# Altium PCB ToucanEyePCB.PcbDoc (part 5 of 5)
Units mil, origin at the board's own origin, x right, y up, seen from the top; angles counter-clockwise.
Board outline 2559.06 x 1181.1 mil, 6 copper layers (L1_Top Layer, L2_GND, L3_Signa1, L4_PWR/Signal2, L5_GND, L6_Bottom Layer), stack 35.685 mil thick; 187 components, 181 nets, 773 pads, 479 vias.
Unrouted connection lines stored in the file: 150.
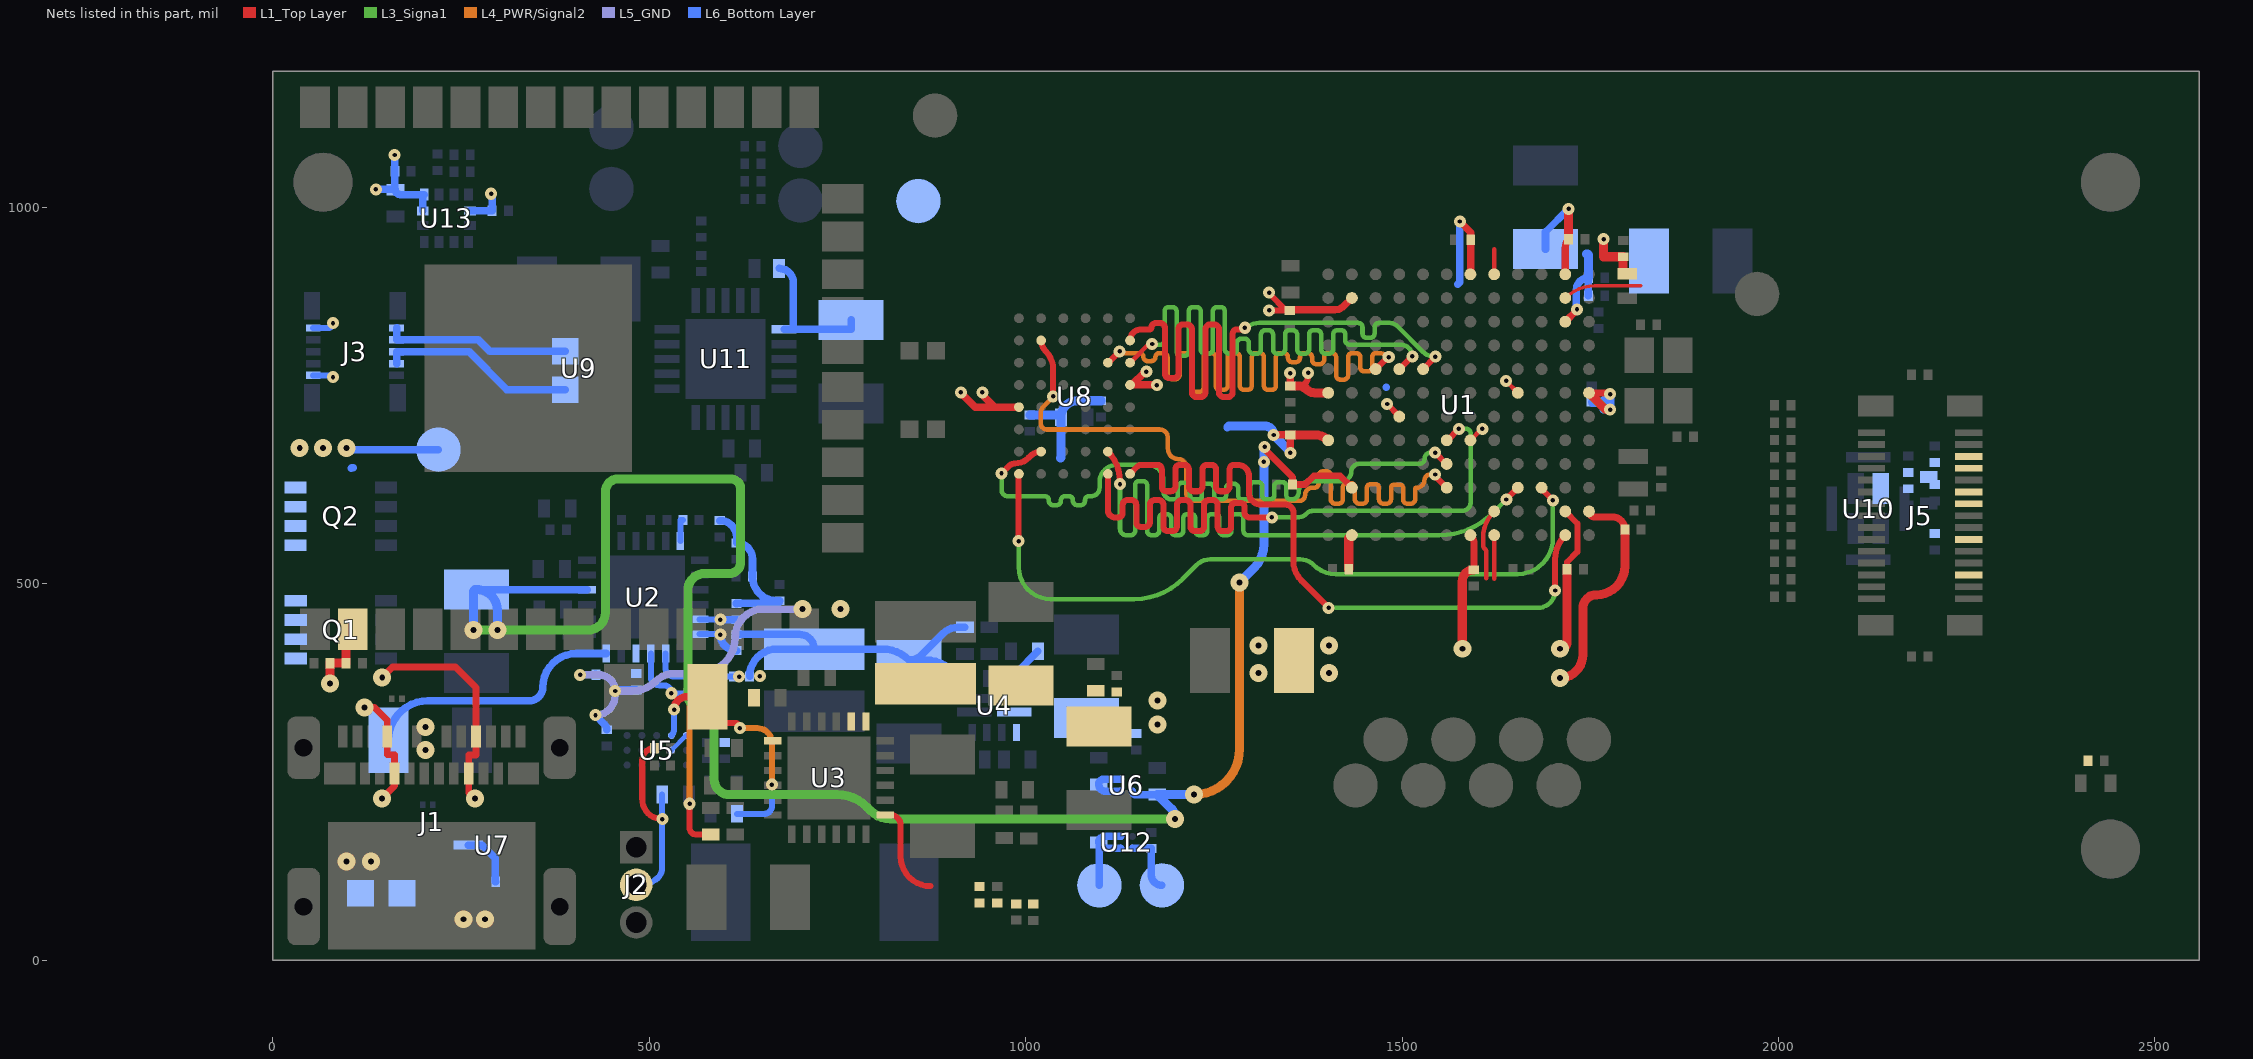
[diagram p9: the nets of this part, all layers, seen from the top]

## Via types
v1: diameter 16, hole 5.91, L5_GND to L6_Bottom Layer, tented both sides, 98 vias
v2: diameter 16, hole 5.91, L1_Top Layer to L2_GND, tented both sides, 93 vias
v3: diameter 16, hole 5.91, L1_Top Layer to L6_Bottom Layer, tented both sides, 72 vias
v4: diameter 16, hole 5.91, L1_Top Layer to L3_Signa1, tented both sides, 60 vias
v5: diameter 16, hole 5.91, L1_Top Layer to L4_PWR/Signal2, tented both sides, 48 vias
v6: diameter 16, hole 5.91, L4_PWR/Signal2 to L6_Bottom Layer, tented both sides, 25 vias
v7: diameter 16, hole 5.91, L3_Signa1 to L6_Bottom Layer, tented both sides, 16 vias
v8: diameter 16, hole 5.91, L2_GND to L6_Bottom Layer, tented both sides, 16 vias
v9: diameter 23.86, hole 7.87, L4_PWR/Signal2 to L6_Bottom Layer, tented both sides, 13 vias
v10: diameter 11.81, hole 11.81, L1_Top Layer to L6_Bottom Layer, 9 vias
v11: diameter 23.86, hole 7.87, L3_Signa1 to L6_Bottom Layer, tented both sides, 7 vias
v12: diameter 23.86, hole 7.87, L1_Top Layer to L3_Signa1, tented both sides, 6 vias
v13: diameter 23.86, hole 7.87, L1_Top Layer to L4_PWR/Signal2, tented both sides, 6 vias
v14: diameter 19.68, hole 7.87, L1_Top Layer to L6_Bottom Layer, 5 vias
v15: diameter 23.86, hole 7.87, L1_Top Layer to L6_Bottom Layer, tented both sides, 4 vias
v16: diameter 16, hole 5.91, L1_Top Layer to L3_Signa1, tented top, 1 vias

## Nets (pads, with @x,y where several pads share a name; then routed paths per layer and width w, separated by ;. In a path a pad name is that pad's centre, name@x,y a point inside that pad or via, vN(x,y) a via of type N, cw(c..) or ccw(c..) an arc to the next point about the centre after c; other vN are vias at no path point) (continued)
PSRAM_D13: U1.H10 U8.F2 | length 974.7
  L1_Top Layer w6: U8.F2@1108.79,793.76 U8.F2@1109.26,793.76
  L1_Top Layer w8: U8.F2@1109.26,793.76 1109.61,793.76 v5(1124.8,808.95) ; U1.H10@1464.91,785.24 1480.82,801.15 v5(1482.4,801.15)
  L4_PWR/Signal2 w6: v5(1124.8,808.95) ccw(c1130.52,814.67) 1130.52,806.58 1132.5,806.58 1140.5,806.58 1151.5,806.58 cw(c1151.5,801.57) 1156.5,801.57 ccw(c1162.1,801.57) 1162.1,795.97 1166.9,795.97 ccw(c1166.9,801.57) 1172.5,801.57 cw(c1177.5,801.57) 1177.5,806.58 1182.9,806.58 cw(c1182.9,800.98) 1188.5,800.98 1188.5,777.49 ccw(c1194.1,777.49) 1194.1,771.89 1198.9,771.89 ccw(c1198.9,777.49) 1204.5,777.49 1204.5,800.98 cw(c1210.1,800.98) 1210.1,806.58 1214.9,806.58 cw(c1214.9,800.98) 1220.5,800.98 1220.5,760.65 ccw(c1226.1,760.65) 1226.1,755.05 1230.9,755.05 ccw(c1230.9,760.65) 1236.5,760.65 1236.5,800.98 cw(c1242.1,800.98) 1242.1,806.58 1246.9,806.58 cw(c1246.9,800.98) 1252.5,800.98 1252.5,763.34 ccw(c1258.1,763.34) 1258.1,757.74 1262.9,757.74 ccw(c1262.9,763.34) 1268.5,763.34 1268.5,800.98 cw(c1274.1,800.98) 1274.1,806.58 1278.9,806.58 cw(c1278.9,800.98) 1284.5,800.98 1284.5,763.34 ccw(c1290.1,763.34) 1290.1,757.74 1294.9,757.74 ccw(c1294.9,763.34) 1300.5,763.34 1300.5,800.98 cw(c1306.1,800.98) 1306.1,806.58 1310.9,806.58 cw(c1310.9,800.98) 1316.5,800.98 1316.5,763.34 ccw(c1322.1,763.34) 1322.1,757.74 1326.9,757.74 ccw(c1326.9,763.34) 1332.5,763.34 1332.5,800.98 cw(c1338.1,800.98) 1338.1,806.58 1342.9,806.58 cw(c1342.9,800.98) 1348.5,800.98 1348.5,800.13 ccw(c1354.1,800.13) 1354.1,794.53 1358.9,794.53 ccw(c1358.9,800.13) 1364.5,800.13 1364.5,800.98 cw(c1370.1,800.98) 1370.1,806.58 1374.9,806.58 cw(c1374.9,800.98) 1380.5,800.98 1380.5,797.42 ccw(c1386.1,797.42) 1386.1,791.82 1390.9,791.82 ccw(c1390.9,797.42) 1396.5,797.42 1396.5,800.98 cw(c1402.1,800.98) 1402.1,806.58 1406.9,806.58 cw(c1406.9,800.98) 1412.5,800.98 1412.5,777 ccw(c1418.1,777) 1418.1,771.4 1422.9,771.4 ccw(c1422.9,777) 1428.5,777 1428.5,800.98 cw(c1434.1,800.98) 1434.1,806.58 1438.9,806.58 cw(c1438.9,800.98) 1444.5,800.98 1444.5,787.7 ccw(c1450.1,787.7) 1450.1,782.1 1454.9,782.1 ccw(c1454.9,787.7) 1460.5,787.7 1460.5,801.48 cw(c1465.6,801.48) 1465.6,806.58 1469.29,806.58 cw(c1469.29,788.04) v5(1482.4,801.15) v5@1479.27,804.28
PSRAM_D14: U1.H9 U8.F1 | length 981.6
  L1_Top Layer w6: U8.F1@1138.78,793.76 1163.67,818.65 v4(1168.1,818.65)
  L1_Top Layer w8: U1.H9@1496.4,785.24 1512.8,801.64 cw(c1513.8,800.64) v4(1513.8,802.05)
  L3_Signa1 w6: v4(1168.1,818.65) ccw(c1168.9,818.65) 1168.9,817.85 1176.64,817.85 1179.04,817.85 ccw(c1179.04,823.45) 1184.64,823.45 1184.64,861.99 cw(c1190.24,861.99) 1190.24,867.59 1195.04,867.59 cw(c1195.04,861.99) 1200.64,861.99 1200.64,817.85 1200.64,808.5 ccw(c1206.24,808.5) 1206.24,802.9 1211.04,802.9 ccw(c1211.04,808.5) 1216.64,808.5 1216.64,817.85 1216.64,861.99 cw(c1222.24,861.99) 1222.24,867.59 1227.04,867.59 cw(c1227.04,861.99) 1232.64,861.99 1232.64,817.85 1232.64,811.51 ccw(c1238.24,811.51) 1238.24,805.91 1243.04,805.91 ccw(c1243.04,811.51) 1248.64,811.51 1248.64,817.85 1248.64,861.99 cw(c1254.24,861.99) 1254.24,867.59 1259.04,867.59 cw(c1259.04,861.99) 1264.64,861.99 1264.64,817.85 1264.64,811.51 ccw(c1270.24,811.51) 1270.24,805.91 1275.04,805.91 ccw(c1275.04,811.51) 1280.64,811.51 1280.64,817.85 1280.64,819.94 cw(c1286.24,819.94) 1286.24,825.54 1291.04,825.54 cw(c1291.04,819.94) 1296.64,819.94 1296.64,817.85 1296.64,811.51 ccw(c1302.24,811.51) 1302.24,805.91 1307.04,805.91 ccw(c1307.04,811.51) 1312.64,811.51 1312.64,817.85 1312.64,831.29 cw(c1318.24,831.29) 1318.24,836.89 1323.04,836.89 cw(c1323.04,831.29) 1328.64,831.29 1328.64,817.85 1328.64,811.51 ccw(c1334.24,811.51) 1334.24,805.91 1339.04,805.91 ccw(c1339.04,811.51) 1344.64,811.51 1344.64,817.85 1344.64,831.29 cw(c1350.24,831.29) 1350.24,836.89 1355.04,836.89 cw(c1355.04,831.29) 1360.64,831.29 1360.64,817.85 1360.64,811.51 ccw(c1366.24,811.51) 1366.24,805.91 1371.04,805.91 ccw(c1371.04,811.51) 1376.64,811.51 1376.64,817.85 1376.64,831.29 cw(c1382.24,831.29) 1382.24,836.89 1387.04,836.89 cw(c1387.04,831.29) 1392.64,831.29 1392.64,817.85 1392.64,811.51 ccw(c1398.24,811.51) 1398.24,805.91 1403.04,805.91 ccw(c1403.04,811.51) 1408.64,811.51 1408.64,817.85 1408.64,831.29 cw(c1414.24,831.29) 1414.24,836.89 1419.04,836.89 cw(c1419.04,831.29) 1424.64,831.29 1424.64,823.45 ccw(c1430.24,823.45) 1430.24,817.85 1493.2,817.85 1498,817.85 cw(c1498,802.05) v4(1513.8,802.05)
PSRAM_D15: U1.H8 U8.G1 | length 985.2
  L1_Top Layer w8: U8.G1@1138.78,823.29 cw(c1153.64,823.29) 1153.64,838.15 1157.9,838.15 1165,838.15 ccw(c1165,840.05) 1166.9,840.05 cw(c1173.2,840.05) 1173.2,846.35 1178.6,846.35 cw(c1178.6,840.05) 1184.9,840.05 1184.9,838.15 1184.9,779.56 ccw(c1191.2,779.56) 1191.2,773.26 1196.6,773.26 ccw(c1196.6,779.56) 1202.9,779.56 1202.9,838.15 1202.9,838.23 cw(c1209.2,838.23) 1209.2,844.53 1214.6,844.53 cw(c1214.6,838.23) 1220.9,838.23 1220.9,838.15 1220.9,754.47 ccw(c1227.2,754.47) 1227.2,748.17 1232.6,748.17 ccw(c1232.6,754.47) 1238.9,754.47 1238.9,838.15 1238.9,838.23 cw(c1245.2,838.23) 1245.2,844.53 1250.6,844.53 cw(c1250.6,838.23) 1256.9,838.23 1256.9,838.15 1256.9,754.47 ccw(c1263.2,754.47) 1263.2,748.17 1268.6,748.17 ccw(c1268.6,754.47) 1274.9,754.47 1274.9,831.85 cw(c1281.2,831.85) 1281.2,838.15 1286.6,838.15 1289.25,838.15 v3(1291.3,840.2) ; U1.H8@1527.9,785.24 1544.4,801.74 v4(1544.4,801.85)
  L3_Signa1 w6: v3(1291.3,840.2) v3@1291.3,838.85 ; v4(1544.4,801.85) 1543.29,801.85 cw(c1543.29,824.04) 1527.6,808.35 1493.29,842.66 ccw(c1483.9,833.27) 1483.9,846.55 1481,846.55 1479.5,846.55 1469.1,846.55 ccw(c1469.1,840.95) 1463.5,840.95 1463.5,832.45 cw(c1457.9,832.45) 1457.9,826.85 1453.1,826.85 cw(c1453.1,832.45) 1447.5,832.45 1447.5,840.95 ccw(c1441.9,840.95) 1441.9,846.55 1431.5,846.55 1423.5,846.55 1310.38,846.55 ccw(c1310.38,819.07) v3@1291.3,838.85 ; v3@1291.3,838.84 ccw(c1310.38,819.07) 1290.95,838.5 v3@1291.3,838.85
PSRAM_NBL0: U1.A2 U8.A1 | length 991.6
  L1_Top Layer w8: U8.A1@1138.78,646.12 1148.63,655.96 cw(c1153.9,650.69) 1153.9,658.15 1162.9,658.15 1174.6,658.15 cw(c1174.6,651.85) 1180.9,651.85 1180.9,629.31 ccw(c1187.2,629.31) 1187.2,623.01 1192.6,623.01 ccw(c1192.6,629.31) 1198.9,629.31 1198.9,651.85 cw(c1205.2,651.85) 1205.2,658.15 1210.6,658.15 cw(c1210.6,651.85) 1216.9,651.85 1216.9,629.31 ccw(c1223.2,629.31) 1223.2,623.01 1228.6,623.01 ccw(c1228.6,629.31) 1234.9,629.31 1234.9,651.85 cw(c1241.2,651.85) 1241.2,658.15 1246.6,658.15 cw(c1246.6,651.85) 1252.9,651.85 1252.9,629.31 ccw(c1259.2,629.31) 1259.2,623.01 1264.6,623.01 ccw(c1264.6,629.31) 1270.9,629.31 1270.9,651.85 cw(c1277.2,651.85) 1277.2,658.15 1279.3,658.15 1281.8,658.15 cw(c1281.8,643.35) 1296.6,643.35 1296.6,621.25 ccw(c1312.7,621.25) 1312.7,605.15 1345.5,605.15 cw(c1345.5,594.95) 1355.7,594.95 1355.7,530.5 ccw(c1393,530.5) 1366.63,504.12 v4(1402.6,468.15) ; v4@1703.2,491.15 1703.2,531.75 cw(c1749.89,531.75) U1.A2@1716.88,564.77 ; U1.A2@1713.2,561.6 U1.A2@1716.88,565.27
  L1_Top Layer w12: U1.A2@1716.88,564.77 U1.A2@1716.88,565.27
  L3_Signa1 w6: v4(1402.6,468.15) 1680.4,468.15 ccw(c1680.4,491.15) v4(1703.4,491.15) v4@1703.4,486.65
PSRAM_NBL1: U1.C4 U8.B2 | length 981.4
  L1_Top Layer w8: U8.B2@1109.26,675.65 cw(c1070.28,636.67) 1125.4,636.67 v4(1125.4,632.45) ; v4(1638.5,612.05) 1638.5,612.37 U1.C4@1653.88,627.76
  L3_Signa1 w6: v4(1125.4,632.45) 1125.4,573.05 ccw(c1133.8,573.05) 1133.8,564.65 1137.4,564.65 1139.8,564.65 ccw(c1139.8,570.25) 1145.4,570.25 1145.4,630.98 cw(c1151,630.98) 1151,636.58 1155.8,636.58 cw(c1155.8,630.98) 1161.4,630.98 1161.4,570.25 ccw(c1167,570.25) 1167,564.65 1171.8,564.65 ccw(c1171.8,570.25) 1177.4,570.25 1177.4,586.98 cw(c1183,586.98) 1183,592.58 1187.8,592.58 cw(c1187.8,586.98) 1193.4,586.98 1193.4,570.25 ccw(c1199,570.25) 1199,564.65 1203.8,564.65 ccw(c1203.8,570.25) 1209.4,570.25 1209.4,586.98 cw(c1215,586.98) 1215,592.58 1219.8,592.58 cw(c1219.8,586.98) 1225.4,586.98 1225.4,570.25 ccw(c1231,570.25) 1231,564.65 1235.8,564.65 ccw(c1235.8,570.25) 1241.4,570.25 1241.4,586.98 cw(c1247,586.98) 1247,592.58 1251.8,592.58 cw(c1251.8,586.98) 1257.4,586.98 1257.4,570.25 ccw(c1263,570.25) 1263,564.65 1267.8,564.65 ccw(c1267.8,570.25) 1273.4,570.25 1273.4,586.98 cw(c1279,586.98) 1279,592.58 1283.8,592.58 cw(c1283.8,586.98) 1289.4,586.98 1289.4,570.25 ccw(c1295,570.25) 1295,564.65 1307.5,564.65 1549.68,564.65 ccw(c1549.68,664.65) 1620.39,593.94 v4(1638.5,612.05)
PSRAM_NE1: U1.E7 U8.A2 | length 988.8
  L1_Top Layer w8: U8.A2@1108.4,645.27 cw(c1109.26,645.27) U8.A2@1109.26,646.12 1109.26,597.99 ccw(c1119,597.99) 1119,588.25 1120,588.25 1122.7,588.25 ccw(c1122.7,594.55) 1129,594.55 1129,605.01 cw(c1135.3,605.01) 1135.3,611.31 1140.7,611.31 cw(c1140.7,605.01) 1147,605.01 1147,588.25 1147,581.92 ccw(c1153.3,581.92) 1153.3,575.62 1158.7,575.62 ccw(c1158.7,581.92) 1165,581.92 1165,588.25 1165,605.01 cw(c1171.3,605.01) 1171.3,611.31 1176.7,611.31 cw(c1176.7,605.01) 1183,605.01 1183,588.25 1183,576.29 ccw(c1189.3,576.29) 1189.3,569.99 1194.7,569.99 ccw(c1194.7,576.29) 1201,576.29 1201,588.25 1201,605.01 cw(c1207.3,605.01) 1207.3,611.31 1212.7,611.31 cw(c1212.7,605.01) 1219,605.01 1219,588.25 1219,576.29 ccw(c1225.3,576.29) 1225.3,569.99 1230.7,569.99 ccw(c1230.7,576.29) 1237,576.29 1237,588.25 1237,605.01 cw(c1243.3,605.01) 1243.3,611.31 1248.7,611.31 cw(c1248.7,605.01) 1255,605.01 1255,588.25 1255,576.29 ccw(c1261.3,576.29) 1261.3,569.99 1266.7,569.99 ccw(c1266.7,576.29) 1273,576.29 1273,588.25 1273,601.41 cw(c1279.3,601.41) 1279.3,607.71 1284.7,607.71 cw(c1284.7,601.41) 1291,601.41 1291,594.55 ccw(c1297.3,594.55) 1297.3,588.25 1325.9,588.25 v4(1327.1,588.25) ; U1.E7@1559.4,690.75 1560.5,690.75 v4(1575.6,705.85)
  L3_Signa1 w6: v4(1327.1,588.25) 1361.07,588.25 ccw(c1361.07,604.98) 1372.9,593.15 cw(c1382.07,583.98) 1382.07,596.95 1580,596.95 ccw(c1580,608.05) 1591.1,608.05 1591.1,699.95 ccw(c1585,699.95) 1585,706.05 1575.6,706.05 v4(1575.6,705.85) v4@1581.2,705.85
PSRAM_NOE: U1.C7 U8.G5 | length 972
  L1_Top Layer w8: U8.G5@1020.67,823.29 ccw(c1040.25,823.29) 1026.41,809.44 cw(c1001.8,784.83) 1036.6,784.83 v5(1036.6,749.05) ; v5(1544,645.25) ccw(c1549.06,645.25) v5@1545.48,641.68 ; v5@1545.48,641.67 U1.C7@1559.4,627.76 cw(c1557.92,627.76) U1.C7@1558.96,626.71
  L4_PWR/Signal2 w6: v5(1036.6,749.05) cw(c1034.91,749.05) 1036.11,747.85 1023,734.75 ccw(c1030,727.75) 1020.1,727.75 1020.1,712.85 ccw(c1027.9,712.85) 1027.9,705.05 1178.2,705.05 cw(c1178.2,694.25) 1189,694.25 1189,679.65 ccw(c1202.9,679.65) 1202.9,665.75 cw(c1202.9,655.25) 1213.4,655.25 1213.4,619.95 ccw(c1223,619.95) 1223,610.35 1363.9,610.35 ccw(c1363.9,617.65) 1371.2,617.65 cw(c1381.4,617.65) 1381.4,627.85 1383.8,627.85 ccw(c1383.8,633.45) 1389.4,633.45 1389.4,643.85 cw(c1395,643.85) 1395,649.45 1399.8,649.45 cw(c1399.8,643.85) 1405.4,643.85 1405.4,627.85 1405.4,612.15 ccw(c1411,612.15) 1411,606.55 1415.8,606.55 ccw(c1415.8,612.15) 1421.4,612.15 1421.4,627.85 1421.4,628.32 cw(c1427,628.32) 1427,633.92 1431.8,633.92 cw(c1431.8,628.32) 1437.4,628.32 1437.4,627.85 1437.4,612.15 ccw(c1443,612.15) 1443,606.55 1447.8,606.55 ccw(c1447.8,612.15) 1453.4,612.15 1453.4,627.85 cw(c1457.67,627.85) 1457.67,632.12 1465.13,632.12 cw(c1465.13,627.85) 1469.4,627.85 1469.4,612.15 ccw(c1475,612.15) 1475,606.55 1479.8,606.55 ccw(c1479.8,612.15) 1485.4,612.15 1485.4,627.85 cw(c1488.98,627.85) 1488.98,631.43 1497.82,631.43 cw(c1497.82,627.85) 1501.4,627.85 1501.4,612.15 ccw(c1507,612.15) 1507,606.55 1511.8,606.55 ccw(c1511.8,612.15) 1517.4,612.15 1517.4,625.35 cw(c1519.9,625.35) 1519.9,627.85 ccw(c1519.9,637.75) 1529.8,637.75 cw(c1537.3,637.75) 1537.3,645.25 v5(1544,645.25)
PSRAM_NWE: U1.D7 U8.B5 | length 983.6
  L1_Top Layer w6: U8.B5@1020.67,673.92 U8.B5@1020.67,675.65
  L1_Top Layer w8: v4(968,646.65) 978.08,656.73 cw(c986.1,648.7) 986.1,660.05 ccw(c986.1,685.64) 1004.2,667.55 1006.38,669.73 cw(c1020.67,655.44) 1020.6,675.65 cw(c1020.67,655.44) U8.B5@1020.67,675.65 ; v4(1543.9,674.35) 1559,659.25 U1.D7@1559.4,659.25
  L3_Signa1 w6: v4(968,646.65) 968,624.85 ccw(c976.4,624.85) 976.4,616.45 1006.9,616.45 1014.9,616.45 1025.3,616.45 cw(c1025.3,610.85) 1030.9,610.85 1030.9,610.16 ccw(c1036.5,610.16) 1036.5,604.56 1041.3,604.56 ccw(c1041.3,610.16) 1046.9,610.16 1046.9,610.85 cw(c1052.5,610.85) 1052.5,616.45 1057.3,616.45 cw(c1057.3,610.85) 1062.9,610.85 1062.9,610.16 ccw(c1068.5,610.16) 1068.5,604.56 1073.3,604.56 ccw(c1073.3,610.16) 1078.9,610.16 1078.9,611.15 cw(c1084.2,611.15) 1084.2,616.45 1086.9,616.45 ccw(c1086.9,627.75) 1098.2,627.75 1098.2,635.35 cw(c1120.9,635.35) 1120.9,658.05 1162.3,658.05 cw(c1162.3,637.35) 1183,637.35 1183,623.45 ccw(c1194.3,623.45) 1194.3,612.15 1196.7,612.15 ccw(c1196.7,617.75) 1202.3,617.75 1202.3,628.74 cw(c1207.9,628.74) 1207.9,634.34 1212.7,634.34 cw(c1212.7,628.74) 1218.3,628.74 1218.3,617.75 ccw(c1223.9,617.75) 1223.9,612.15 1228.7,612.15 ccw(c1228.7,617.75) 1234.3,617.75 1234.3,627.35 cw(c1239.9,627.35) 1239.9,632.95 1244.7,632.95 cw(c1244.7,627.35) 1250.3,627.35 1250.3,617.75 ccw(c1255.9,617.75) 1255.9,612.15 1260.7,612.15 ccw(c1260.7,617.75) 1266.3,617.75 1266.3,627.35 cw(c1271.9,627.35) 1271.9,632.95 1276.7,632.95 cw(c1276.7,627.35) 1282.3,627.35 1282.3,617.75 ccw(c1287.9,617.75) 1287.9,612.15 1292.7,612.15 ccw(c1292.7,617.75) 1298.3,617.75 1298.3,629.66 cw(c1303.9,629.66) 1303.9,635.26 1308.7,635.26 cw(c1308.7,629.66) 1314.3,629.66 1314.3,617.75 ccw(c1319.9,617.75) 1319.9,612.15 1324.7,612.15 ccw(c1324.7,617.75) 1330.3,617.75 1330.3,629.66 cw(c1335.9,629.66) 1335.9,635.26 1340.7,635.26 cw(c1340.7,629.66) 1346.3,629.66 1346.3,617.75 ccw(c1351.9,617.75) 1351.9,612.15 1352,612.15 1353.2,612.15 ccw(c1353.2,621.75) 1362.8,621.75 cw(c1377.4,621.75) 1377.4,636.35 1420,636.35 ccw(c1420,648.85) 1432.5,648.85 cw(c1443,648.85) 1443,659.35 1523,659.35 ccw(c1523,666.35) 1530,666.35 cw(c1538,666.35) 1538,674.35 v4(1543.9,674.35) v4@1543.9,674.65
PSRAM_ZZ: U1.C3 U8.A6 | length 981.7
  L1_Top Layer w8: v4(990.8,556.75) 990.8,646.12 U8.A6@991.14,646.12 ; U1.C3@1685.38,628.37 U1.C3@1685.38,627.76 1685.38,626.07 v4(1700.5,610.95)
  L3_Signa1 w6: v4(990.8,556.75) 990.8,522.15 ccw(c1033.1,522.15) 1033.1,479.85 1144.58,479.85 ccw(c1144.58,569.95) 1208.29,506.24 1227.42,525.37 cw(c1245,507.78) 1245,532.65 1364.53,532.65 cw(c1364.53,507.38) 1382.4,525.25 ccw(c1412.09,554.94) 1412.09,512.95 1653.47,512.95 ccw(c1653.47,559.38) 1686.3,526.55 ccw(c1652.02,560.83) 1700.5,560.83 v4(1700.5,610.95)
RESET_USB_C: R19.2 U1.E6 U2.6 | length 53
  L1_Top Layer w6: U1.E6@1590.89,690.75 1606.09,705.95 v3(1606.7,705.95)
  L6_Bottom Layer w8: U2.6@541.51,557.1 541.51,584.8 R19.2@544.67,584.8
SPEAKER_N: FB4.2 J3.4 J3.6 | length 260.7
  L6_Bottom Layer w10: J3.4@164.41,792.65 J3.6@164.41,808.4 260.72,808.4 311.12,758 FB4.2@388.5,758
SPEAKER_P: FB3.2 J3.8 J3.10 | length 246.1
  L6_Bottom Layer w10: J3.10@164.41,839.9 J3.8@164.41,824.15 273.25,824.15 288.3,809.1 FB3.2@388.5,809.1
SPI_CLK_USB: R9.1 U1.L2 U2.16 | length 104.4
  L1_Top Layer w4.72: U1.L2@1716.88,879.73 cw(c1755.8,840.8) 1755.8,895.85 1817,895.85
SPI_CS_USB: R8.1 U1.M5 U2.12 | length 94.9
  L1_Top Layer w6: U1.M5@1622.39,911.22 1622.39,944.56
  L6_Bottom Layer w8: U2.12@567.1,433.09 594.6,433.09 v7(594.6,432.7)
  L6_Bottom Layer w10: v7@594.6,432.67 ccw(c616,432.67) R8.1@616,411.27
SPI_MISO_USB: R10.1 U1.A5 U2.14 | length 173.6
  L1_Top Layer w6: 1622.39,507.05 U1.A5@1622.39,564.77
  L6_Bottom Layer w8: U2.14@521.83,407.5 521.83,387.67 ccw(c532.6,387.67) 532.6,376.9 592.4,376.9 592.5,377 R10.1@611.67,377
SPI_MOSI_USB: R11.1 U1.B5 U2.11 | length 143.5
  L1_Top Layer w6: 1612,507.15 1612,541.48 ccw(c1604.83,541.48) 1609.9,546.55 cw(c1615.45,552.1) 1607.6,552.1 1607.6,560.56 cw(c1658.09,560.56) U1.B5@1622.39,596.26
  L6_Bottom Layer w8: U2.11@567.1,452.77 567.1,452.6 v7(594.6,452.6) v7@594.6,452.37
  L6_Bottom Layer w10: v7@594.6,452.37 R11.1@616,452.37
STAT_BATMAN: R6.1 U1.G4 U3.7 | length 154.3
  L1_Top Layer w3: v3@1638.2,769.43 v3(1638.2,769.65)
  L1_Top Layer w6: v3@1638.2,769.43 U1.G4@1653.88,753.74
  L1_Top Layer w8: U3.7@813.61,192.97 820.73,192.97 cw(c820.73,179.7) 834,179.7 834,138.1 ccw(c873.7,138.1) 873.7,98.4
TERM_BAT: J2.2 R23.1 R24.1 | length 262.2
  L1_Top Layer w8: R24.1@506.87,281.8 ccw(c506.87,265.73) 490.8,265.73 490.8,214.1 ccw(c517.5,214.1) v3(517.5,187.4)
  L6_Bottom Layer w8: J2.2@482.7,100.2 488.34,100.2 ccw(c488.34,133.66) 512,110 ccw(c499.24,122.76) 517.28,122.76 R23.1@517.28,220.1
TX_EN_USB_C: R18.1 U1.F9 U2.15 | length 116.2
  L1_Top Layer w8: v3(1480.2,738.95) 1496.4,722.75 U1.F9@1496.4,722.25
  L6_Bottom Layer w8: U2.15@502.14,407.5 502.14,376.66 ccw(c513.5,376.66) 513.5,365.3 519,365.3 cw(c519,354.5) v6@529.8,354.5 ; v6(529.6,354.7) v6@529.8,354.5 ; R18.1@551.17,354.5 v6@529.8,354.5
VBUS: C23.1 C39.2 FB1.1 Q1.5 Q1.6 Q1.7 Q1.8 U2.18 U7.5 | length 430.1
  L6_Bottom Layer w10: C23.1@153.69,292.4 cw(c205.89,292.4) 205.89,344.6 340.6,344.6 ccw(c340.6,362.7) 358.7,362.7 cw(c403.5,362.7) 403.5,407.5 U2.18@443.09,407.5 ; U7.5@259.61,153 278.1,153 295.5,135.6 295.5,104.4 C39.2@296.17,104.4
  other v9: 253.3,54.5 281.8,54.5 203,279.6 203,310
VBUS_USB: FB1.2 J1.A4 J1.A9 J1.B4 J1.B9 | length 459.7
  L1_Top Layer w9: v13(121.6,335.9) 135.2,335.9 151.94,319.16 J1.A4@151.94,297.42 151.94,272.9 161.79,272.9 J1.B9@161.79,248.21 161.79,231.79 v13(144.9,214.9) ; v13(145.4,375.8) 159.2,389.6 242.6,389.6 270.06,362.14 J1.A9@270.06,297.42 270.06,272.5 260.21,272.5 J1.B4@260.21,248.21 260.21,222.89 v13@267.6,215.5
  other v11: 98.2,131.2 130.7,131.18
  other v13: 268.4,214.9
VCC_2V8: C7.1 C9.1 C12.1 C13.1 C14.1 C15.1 C16.1 C20.1 C22.2 C32.2 C33.2 C34.2 C35.2 C36.2 C37.2 C38.2 C40.2 C49.2 C50.2 C51.2 C56.2 C57.2 C63.2 C70.2 C71.2 C72.1 C73.1 C74.2 FB2.1 J3.1 J3.9 J5.12 J5.14 J5.20 J5.26 L1.2 R1.2 R6.2 R8.2 R9.2 R10.2 R11.2 R12.2 R13.2 R14.2 R15.2 R30.2 R31.2 R36.2 R40.2 R41.2 R42.2 R43.2 R49.2 TP12.1 U1.A6 U1.A11 U1.B1 U1.B2 U1.E12 U1.G1 U1.G12 U1.K2 U1.L11 U1.M2 U1.M6 U4.3 U8.D6 U8.E1 U9.2 U10.1 U13.2 U13.9 U13.10 | length 3729.3
  L1_Top Layer w8: v3(1323.5,886.95) 1323.5,885.65 C35.2@1346.17,862.98 ; v3@1323.67,862.98 C35.2@1346.17,862.98 ; C35.2@1351.1,862.98 C35.2@1346.17,862.98 ; 1362.23,762.88 ccw(c1362.23,776.05) 1375.4,776.05 v3(1375.4,780.35) ; U1.B2@1716.88,596.26 1733,580.14 1733,542.65 1719.37,529.02 C22.2@1719.37,519.55
  L1_Top Layer w9.5: v3(1323.5,863.15) v3@1323.67,862.98 ; C35.2@1354.77,864.05 1411.2,864.05 ccw(c1411.2,879.83) 1422.35,868.67 U1.L11@1433.41,879.73 ; U1.G12@1401.92,753.74 U1.G12@1401.92,756.33 ; v3(1576.9,981.3) 1591.33,966.87 C36.2@1591.33,957.15 ; v12@1580,413.8 v12(1580.5,413.8) ; U1.A6@1590.89,564.77 cw(c1579.46,553.33) 1595.63,553.33 C12.1@1595.63,519.55 ; U1.K2@1716.88,848.23 1732.4,863.75 v3(1732.4,864.55) ; U1.M2@1716.88,911.22 1716.88,946.93 cw(c1731.89,946.93) C37.2@1721.27,957.55 ; U1.G1@1748.37,753.74 1774.86,753.74 v3(1776.55,752.05) ; U1.B1@1749.88,594.75 U1.B1@1748.37,596.26 ccw(c1755.73,596.26) 1755.73,588.9 1779.32,588.9 cw(c1779.32,572.25) C33.2@1795.97,572.25
  L1_Top Layer w10: v3@913.5,754.25 933.04,734.7 959.26,734.7 ; v3(942.5,754.25) 942.5,751.46 959.26,734.7 ; U8.D6@991.14,734.7 959.26,734.7 ; U8.E1@1138.78,764.23 U8.E1@1141.28,764.23 ; v3(1160.4,782.05) 1159.1,782.05 U8.E1@1141.28,764.23 ; v3(1174.4,764.05) 1174.22,764.23 U8.E1@1141.28,764.23 ; v3@1329.57,697.82 C14.1@1351.7,697.82 v3(1351.7,674.05) ; v3(1351.5,780.05) 1351.7,780.05 C32.2@1351.7,762.88 ; U1.M6@1590.89,911.22 ccw(c1589.84,912.27) 1591.33,912.27 C36.2@1591.33,957.15
  L1_Top Layer w12: v12(76.3,367.8) 76.23,367.87 C51.2@76.23,394.6 R31.2@97.47,394.6 97.47,431.43 cw(c106.03,431.43) U9.2@106.03,439.99 ; v3(1329.5,697.75) v3@1329.57,697.82 ; C14.1@1351.7,697.82 1384.84,697.82 cw(c1384.84,673.67) U1.E12@1401.92,690.75 ; C32.2@1351.7,762.88 1362.23,762.88 cw(c1362.23,747.08) 1373.4,758.25 ccw(c1384.28,769.13) 1384.28,753.74 U1.G12@1401.92,753.74 ; C34.2@1429.23,519.55 1429.23,560.58 U1.A11@1433.41,564.77 ; v12@1580,413.8 1580,503.48 cw(c1595.2,503.48) C12.1@1595.2,518.68 ; v12@1709.6,375.1 ccw(c1709.6,405.7) 1740.2,405.7 1740.2,467.6 cw(c1758.1,467.6) 1758.1,485.5 ccw(c1758.1,523.37) 1795.97,523.37 C33.2@1795.97,572.25 ; v12(1709.7,413.8) ccw(c1709.7,423.47) 1719.37,423.47 C22.2@1719.37,519.55 ; v3(1721.2,998) 1721.27,997.93 C37.2@1721.27,957.55 ; U1.G1@1748.37,753.74 1770.76,731.35 v3(1776.5,731.35) ; v3(1767.8,958.05) 1767.8,934.52 C16.1@1793.7,934.52 1793.7,911.91 FB2.1@1799.2,911.91
  L5_GND w10: v1(408.4,379.2) 433.2,379.2 cw(c433.2,357.7) v1(454.7,357.7) ; v1(428.7,325.6) ccw(c428.7,351.6) 454.7,351.6 v1(454.7,357.7) ; v11(703.4,466.5) 651.7,466.5 ccw(c651.7,429) 614.2,429 cw(c566.1,429) 566.1,380.9 533.71,380.9 ccw(c533.71,345.39) 508.6,370.5 cw(c477.7,401.4) 477.7,357.7 v1(454.7,357.7)
  L6_Bottom Layer w0: C50.2@1093.33,746.05 cw(c1093.33,736.47) C50.2@1100.1,743.24
  L6_Bottom Layer w8: J3.1@53.78,776.9 77.64,776.9 cw(c77.64,774.54) v7(80,774.54) ; J3.9@53.78,839.9 73.54,839.9 ccw(c73.54,846.36) v7(80,846.36)
  L6_Bottom Layer w10: v6(136.9,1024) C72.1@162.19,1024 ; v6@161.4,1069.7 cw(c159.53,1067.83) 162.17,1067.83 C74.2@162.17,1048 162.17,1024.14 ccw(c162.9,1024.14) C72.1@162.19,1024 ; U13.9@199.19,995.49 199.19,1015.18 cw(c201.16,1015.18) U13.10@201.16,1017.15 169.17,1017.15 cw(c169.17,1023.42) C72.1@162.9,1023.42 162.9,1024 C72.1@162.19,1024 ; U13.2@262.18,995.49 U13.2@262.18,995.49 C73.1@291.27,995.4 291.27,1017.03 ccw(c290.1,1017.03) v6(290.1,1018.2) ; v1(408.4,379.2) 427.8,379.2 428.7,380.1 R15.2@429.6,379.2 ; v1(428.7,325.6) 440.56,313.74 cw(c432.97,306.15) R43.2@443.7,306.15 ; v1(454.7,357.7) 456.07,359.07 R9.2@482.8,359.07 ; R13.2@593.9,584.13 cw(c593.9,561.83) 616.2,561.83 R12.2@616.2,554.33 cw(c616.2,533.3) 637.23,533.3 R14.2@637.23,509.7 ccw(c669.35,509.7) 669.35,477.57 C40.2@673.1,477.57 cw(c669.55,477.57) 669.55,474.03 R11.2@616,474.03 R11.2@616,473.8 ; R8.2@616,432.93 699.61,432.93 cw(c699.61,413.34) L1.2@719.2,413.34 ; R10.2@633.33,377 cw(c669.67,377) 669.67,413.34 L1.2@719.2,413.34 ; R1.2@919.35,442.32 910.1,442.32 ccw(c910.1,414.6) 890.5,434.2 861.91,405.61 cw(c845.25,422.28) C7.1@845.25,398.71 ; U4.3@928.87,374.59 925.39,374.59 cw(c925.39,405.69) 903.4,383.7 ccw(c867.16,347.46) 867.16,398.71 C7.1@845.25,398.71 ; 1267.8,707.6 cw(c1269.9,707.6) 1269.9,709.7 ; v3(1351.7,674.05) v3@1351.7,675.55 ; 1479,760.9 1479.25,760.9 ; 1574,897.8 1576.9,900.7 v3(1576.9,981.3) ; C13.1@1690.6,944.64 1690.6,967.4 v3(1721.2,998) ; v3@1731.6,865.35 1731.6,890.53 cw(c1747.67,890.53) C20.1@1747.67,906.6 R30.2@1747.67,882.7 ; 1767.47,731.35 1775.6,731.35 v3(1776.5,731.35) ; L1.2@719.2,413.34 809.94,413.34 cw(c809.94,363.4) C7.1@845.25,398.71
  L6_Bottom Layer w12: C49.2@1005.7,724.38 1043.76,724.38 cw(c1043.76,721.25) C56.2@1046.88,721.25 ; 1046.4,667.1 1046.88,667.58 C56.2@1046.88,721.25 ; C50.2@1100.1,743.24 1068.88,743.24 ccw(c1068.88,721.25) C56.2@1046.88,721.25 ; 1269.9,709.7 1317.55,709.7 cw(c1317.55,697.75) v3(1329.5,697.75) v3@1351.7,675.55 ; v3@1731.6,865.35 v3(1732.4,864.55) ; 1745.3,938.3 cw(c1745.3,935.93) 1747.67,935.93 C20.1@1747.67,906.6 ; C38.2@1752.9,741.22 1765.73,741.22 v3(1776.55,752.05) 1776.55,733.65 cw(c1773.3,733.65) v3@1775.6,731.35
  other v3: 913.9,754.25
  other v6: 161.81,1069.7
  other v11: 753.9,466.5
  other v12: 1709.7,375.1 1309.1,381.4 1309.1,418
  other v15: 1402.8,381.4 1402.8,418
VCC_+1.5V: C68.2 C69.2 J5.6 J5.8 TP21.1 U12.B1 | length 82.2
  L6_Bottom Layer w10: U12.B1@1141.87,148.8 1166.7,148.8 C68.2@1166.7,148.27 1166.7,114 ccw(c1181.1,114) TP21.1@1181.1,99.6
VCC_+3V3: C6.1 C29.2 C31.1 U1.C11 U2.22 U6.B1 | length 2695.4
  L1_Top Layer w9: v3(1317.4,682.05) 1317.4,679.1 1317.25,678.95 1354.53,641.68 C6.1@1354.53,631.95 1371.2,631.95 1382.9,643.65 1417.52,643.65 U1.C11@1433.41,627.76
  L1_Top Layer w9.5: U1.C11@1433.41,627.14 U1.C11@1433.41,627.76
  L3_Signa1 w12: v11(266.6,438.7) v11(298.4,438.7) 418.9,438.7 ccw(c418.9,461.6) 441.8,461.6 441.8,622.4 cw(c458.9,622.4) 458.9,639.5 608.2,639.5 cw(c608.2,626.1) 621.6,626.1 621.6,528.8 cw(c606.6,528.8) 606.6,513.8 573.4,513.8 ccw(c573.4,491.9) 551.5,491.9 551.5,351.7 ccw(c566.5,351.7) 566.5,336.7 cw(c566.5,316.8) 586.4,316.8 586.4,239.9 ccw(c606.1,239.9) 606.1,220.2 611.2,220.2 611.2,220.1 749.79,220.1 cw(c749.79,164.79) 788.9,203.9 793.9,198.9 ccw(c820.53,225.52) 820.53,187.87 v11(1198.5,187.87)
  L4_PWR/Signal2 w12: v9(1223.7,219.98) ccw(c1223.7,280.43) 1284.15,280.43 v9@1284.15,494.75
  L6_Bottom Layer w10: C31.1@270.6,492.61 ccw(c271.73,493.74) 271.73,492.14 275.69,492.14 U2.22@417.5,492.14 ; U6.B1@1141.87,224.73 ccw(c1146.62,224.73) 1146.62,219.98 C29.2@1174.9,219.98
  L6_Bottom Layer w12: v11(266.6,438.7) 266.6,488.61 cw(c270.6,488.61) C31.1@270.6,492.61 cw(c270.6,464.81) 275.69,492.14 cw(c270.6,464.81) 298.4,464.81 v11(298.4,438.7) ; v11@1199.2,188.6 ccw(c1182.1,188.6) 1194.2,200.68 C29.2@1174.9,219.98 v9(1223.7,219.98) ; v9(1284.15,501.85) 1303.5,521.2 ccw(c1272.36,552.34) 1316.4,552.34 v3(1316.4,662.15) 1316.4,679.64 cw(c1319.81,679.64) v3(1317.4,682.05)
VCC_IN: C17.1 Q2.5 Q2.6 Q2.7 Q2.8 R26.2 TP5.1 U3.19 | length 350.2
  L1_Top Layer w8: v5@553.6,200.8 553.6,176 ccw(c562.62,176) 562.62,166.98 R26.2@581.7,166.98
  L4_PWR/Signal2 w8: v5(553.7,207.9) 553.7,374.1
  L6_Bottom Layer w10: v9(97.7,680.4) ccw(c102.77,685.47) 102.77,678.3 TP5.1@220.1,678.3 ; 104.1,653.4 cw(c106.76,650.74) 106.76,654.5
  other v5: 619.6,376.9 647.1,377.4
  other v9: 35.8,680.4 66.75,680.4
VCC_TERM: C27.1 R22.1 U5.D1 | length 365.2
  L1_Top Layer w8: 550.3,350.1 C27.1@577.41,350.1 577.41,315.3 613.6,315.3 cw(c613.6,308.4) v5(620.5,308.4)
  L1_Top Layer w10: v3(533.1,332.9) cw(c550.3,332.9) 550.3,350.1
  L4_PWR/Signal2 w8: v5(620.5,308.4) 643.6,308.4 cw(c643.6,289) 663,289 v6(663,233.4)
  L6_Bottom Layer w6: v3@530.1,329.9 v3(533.1,332.9)
  L6_Bottom Layer w8: U5.D1@529.68,298.7 ccw(c521.44,306.94) 533.1,306.94 v3(533.1,332.9) ; R22.1@616.82,194.5 652.9,194.5 ccw(c652.9,204.6) 663,204.6 v6(663,233.4)
VSYS: C8.1 C19.1 C21.2 C25.1 C30.1 C41.1 C42.2 C46.2 C60.1 C67.2 L2.2 L3.1 R3.2 TP2.1 U3.13 U3.14 U4.6 U4.7 U4.8 U5.D2 U5.E1 U6.A2 U6.B2 U11.1 U12.A2 U12.B2 | length 456.5
  L6_Bottom Layer w6: U5.D2@529.68,279.02 U5.E1@549.37,298.7
  L6_Bottom Layer w10: L3.1@672.56,919 cw(c672.56,900.06) 691.5,900.06 U11.1@691.5,838.08 ; U11.1@679.14,838.08 U11.1@691.5,838.08 ; C60.1@768.1,850.81 768.1,838.08 U11.1@691.5,838.08 ; U4.6@987.92,374.59 987.92,382.05 R3.2@1016.27,410.4 ; TP2.1@1098,99.6 C67.2@1098,152.8 ; U12.B2@1126.13,148.8 1104.68,148.8 cw(c1104.68,156.38) C67.2@1098,152.8 ; U12.A2@1126.13,164.55 1105.26,164.55 ccw(c1105.26,156.38) C67.2@1097.1,156.38 cw(c1097.1,155.48) 1098,155.48 C67.2@1098,152.8 ; U6.B2@1126.13,224.73 1105.97,224.73 cw(c1105.97,233.6) C30.1@1097.1,233.6 cw(c1103.97,233.6) 1103.97,240.47 U6.A2@1126.13,240.47
  other v15: 1175.3,313.1 1175.3,345
pads on no net: J1.A2 J1.A3 J1.A8 J1.A10 J1.A11 J1.B2 J1.B3 J1.B8 J1.B10 J1.B11 J3.2 J5.28 U1.D8 U1.F5 U1.H11 U1.H12 U1.J9 U1.J11 U1.J12 U1.K6 U1.K11 U1.K12 U2.20 U9.4 U9.5 U9.6 U9.7 U9.8 U9.9 U9.10 U9.11 U9.17 U9.18 U9.19 U9.20 U9.21 U9.22 U9.24 U9.25 U9.26 U9.29 U9.30 U9.31 U9.32 U9.33 U9.36 U9.37
copper on no net:
  other v7: 615.2,354.3

## Polygon pours and split planes (outlines as drawn)
VCC_IN on L4_PWR/Signal2 "VCC_IN_L04_P170" (solid, pour order 170): 501,477.9 578.8,477.9 578.8,428.9 587.1,420.6 658.3,420.6 658.3,365.4 530.5,365.4 501,394.9
VCC_IN on L4_PWR/Signal2 "VCC_IN_L04_P168" (solid, pour order 168): 16.1,654.3 16.1,706.6 350.1,706.6 578.8,477.9 500.8,477.9 324.4,654.3
BAT+ on L4_PWR/Signal2 "BAT+_L04_P154" (solid, pour order 154): 455.66,175.8 735,175.8 862,302.8 973.5,302.8 973.5,243.4 891.1,243.4 774.8,127.1 455.54,127.1
no net on L4_PWR/Signal2 "NONET_L04_P152" (solid, pour order 152): 432.5,125.5
NetC1_2 on L4_PWR/Signal2 "NETC1_2_L04_P148" (solid, pour order 148): 163.5,641.2 219.4,641.2 219.4,414.6 163.5,414.6
VBUS on L4_PWR/Signal2 "VBUS_L04_P134" (solid, pour order 134): 296.2,39.8 296.2,92.4 343.2,139.4 343.2,263.9 280.8,326.3 174.4,326.3 174.4,262.4 266.8,262.4 292.1,237.1 291.4,236.4 291.4,167.6 238.8,115 238.8,39.8
VBUS_USB on L4_PWR/Signal2 "VBUS_USB_L04_P122" (solid, pour order 122): 106.4,189.9 84,167.5 84,116 149.9,116 165.1,131.2
VBUS_USB on L4_PWR/Signal2 "VBUS_USB_L04_P118" (solid, pour order 118): 161.3,393.5 105.4,393.5 105.4,187.2 162.8,129.8 240.5,129.8 285.9,175.2 285.9,234.4 253.6,234.4 253.6,189.6 225.8,161.8 184.9,161.8 161.3,185.4
no net on L4_PWR/Signal2 "NONET_L04_P112" (solid, pour order 112): 137.2,187.5
no net on L4_PWR/Signal2 "NONET_L04_P106" (solid, pour order 106): 131.8,231.4
VBUS on L4_PWR/Signal2 "VBUS_L04_P092" (solid, pour order 92): 229.8,159.25
VBUS on L4_PWR/Signal2 "VBUS_L04_P090" (solid, pour order 90): 229.8,159.25
VCC_2V8 on L4_PWR/Signal2 "VCC_CPU" (solid, pour order 24): 1334.1,976.35
VCC_2V8 on L6_Bottom Layer "VCC_2V8_L06_P244" (solid, pour order 244): 1812.1,966.7 1812.1,923.2 1729.4,923.2 1729.4,966.7
VCC_2V8 on L6_Bottom Layer "VCC_2V8_L06_P234" (solid, pour order 234): 1485.5,820.2 1632.5,967.2 1663.3,967.2 1663.3,924.2 1647.4,924.2 1488.2,765 1485.5,765
VCC_2V8 on L6_Bottom Layer "VCC_2V8_L06_P232" (solid, pour order 232): 1276.7,818.6 1337.4,818.6 1337.4,898.6 1311.1,898.6 1311.1,853
VCC_2V8 on L6_Bottom Layer "VCC_2V8_L06_P228" (solid, pour order 228): 1485.5,751.2 1517.7,719 1787.1,719 1787.1,761.3 1762.4,761.3 1762.4,729.2 1525.4,729.2 1485.35,769.25 1481.3,769.25
VCC_2V8 on L6_Bottom Layer "VCC_2V8_L06_P226" (solid, pour order 226): 1423.9,434.6 1423.9,364.9 1277.2,364.9 1199.3,442.8 1199.3,741.2 1278.3,820.2 1485.5,820.2 1485.5,751.2 1316.7,751.2 1280.4,714.9 1280.4,469.7 1315.5,434.6
GND on L6_Bottom Layer "GND_L06_P206" (solid, pour order 206): 748.4,179.6 748.4,13.8 1010.6,13.8 1010.6,179.6
VSYS on L6_Bottom Layer "VSYS_L06_P204" (solid, pour order 204): 1089.1,160.87 1089.1,151 1075.8,151 1058.8,168 1058.8,298.1 1078.6,298.1 1078.6,246 1086,238.6 1087.9,238.6 1087.9,230 1079.7,221.8 1079.7,168.28
VCC_2V8 on L6_Bottom Layer "VCC_2V8_L06_P200" (solid, pour order 200): 654.2,439.5 654.2,482.1 784,482.1 784,439.5
NetL1_1 on L6_Bottom Layer "NETL1_1_L06_P198" (solid, pour order 198): 911.9,350.43 911.9,342 907.7,342 886.4,320.7 781.6,320.7 781.6,357.6 902.82,357.6
VSYS on L6_Bottom Layer "VSYS_L06_P194" (solid, pour order 194): 983.9,364.4 1015.8,364.4 1037.6,342.6 1058.9,342.6 1058.9,356.2 1030.3,384.8 983.9,384.8
VSYS on L6_Bottom Layer "VSYS_L06_P192" (solid, pour order 192): 983.2,293.7 983.2,323.4 962.8,323.4 962.8,335.3 1025.7,335.3 1035.3,344.9 1041.1,344.9 1041.1,300.3 1034,300.3 1027.4,293.7
VSYS on L6_Bottom Layer "VSYS_L06_P190" (solid, pour order 190): 1191.2,357.4 1133.3,357.4 1118,342.1 1118,295.5 1156.7,295.5 1160.7,299.5 1191.2,299.5
VCC_IN on L6_Bottom Layer "VCC_IN_L06_P164" (solid, pour order 164): 16.1,652.5 117.3,652.5 117.3,697.9 16.1,697.9
BAT- on L6_Bottom Layer "BAT-_L06_P162" (solid, pour order 162): 559.7,25.5 459,25.5 459,74.1 503.7,74.1 559.7,147.2
NetC1_2 on L6_Bottom Layer "NETC1_2_L06_P146" (solid, remove dead copper, pour order 146): 134.5,566.9 134.5,637.3 205.7,637.3 205.7,566.9
NetC1_2 on L6_Bottom Layer "NETC1_2_L06_P144" (solid, remove dead copper, pour order 144): 134,416.5 134,486.9 205.2,486.9 205.2,416.5
VBUS on L6_Bottom Layer "VBUS_L06_P142" (solid, pour order 142): 107.58,372.1 176.78,333.76 131.73,314.06 20.92,372.1
VBUS on L6_Bottom Layer "VBUS_L06_P136" (solid, pour order 136): 216,324.1 216,265.6 170.7,265.6 170.7,324.1
VBUS on L6_Bottom Layer "VBUS_L06_P130" (solid, pour order 130): 239.6,72.3 239.6,41.1 296.3,41.1 296.3,72.3
VBUS on L6_Bottom Layer "VBUS_L06_P126" (solid, pour order 126): 184.6,107.7 184.6,69.8 296.4,69.8 296.4,107.7
VBUS_USB on L6_Bottom Layer "VBUS_USB_L06_P120" (solid, pour order 120): 134.3,104.8 134.3,112.7 146.3,124.7 146.3,145.9 83.2,145.9 83.2,121.1 99.5,104.8
VBUS on L6_Bottom Layer "VBUS_L06_P068" (solid, pour order 68): 157.2,267.95
VBUS on L6_Bottom Layer "VCC_2V8" (solid, pour order 56): 91.4,-6.15
VCC_2V8 on L6_Bottom Layer "VCC_2V8" (solid, pour order 42): 983.8,749.25
VCC_2V8 on L6_Bottom Layer "VCC_2V8" (solid, pour order 40): 1124.3,753.15
VCC_2V8 on L6_Bottom Layer "VCC_2V8" (solid, pour order 38): 940.3,752.45
VCC_2V8 on L6_Bottom Layer "VCC_2V8" (solid, pour order 36): 957.2,751.25
GND on L2_GND "GND_L02_P098" (solid, pour order 98): 0,0 0,1181.1 2559.1,1181.1 2559.1,0
GND on L2_GND "GND_L02_P096" (solid, pour order 96): 0,0
GND on L5_GND "GND_L05_P100" (solid, pour order 100): 2558.4,0 2558.4,1181.7 0,1181.7 0,0
VCC_2V8 on L1_Top Layer "VCC_2V8_L01_P224" (solid, pour order 224): 1376,439.2 1376,360.3 1420,360.3 1420,439.2
VCC_2V8 on L1_Top Layer "VCC_2V8_L01_P222" (solid, pour order 222): 1291.9,439.8 1291.9,360.9 1335.9,360.9 1335.9,439.8
VSYS on L1_Top Layer "VSYS_L01_P188" (solid, pour order 188): 1034.6,387.7 1059.5,387.7 1084.9,362.3 1191.4,362.3 1191.4,294.7 1065.2,294.7 1065.2,326.7 1050.1,341.8 1034.6,341.8
VSYS on L1_Top Layer "VSYS_L01_P186" (solid, pour order 186): 931.8,389.7 931.8,341.3 955.7,341.3 955.7,389.7
VCC_IN on L1_Top Layer "VCC_IN_L01_P184" (solid, pour order 184): 931.8,388.4
VSYS on L1_Top Layer "VSYS_L01_P182" (solid, pour order 182): 763.3,305.1 763.3,340.2 777.1,354 777.1,374.9 792.8,390.6 801.3,390.6 801.3,343.3 792.8,334.8 792.8,305.1
GND on L1_Top Layer "GND_L01_P180" (solid, pour order 180): 724.2,305.7 724.2,333.8 752.9,362.5 752.9,385.3 773.7,385.3 773.7,355.5 753.2,335 753.2,305.7
NetC18_2 on L1_Top Layer "NETC18_2_L01_P178" (solid, pour order 178): 801.65,476.55 729.3,404.2 729.3,373 706.8,350.5 684.8,328.5 684.8,305.3 714.4,305.3 714.4,328.7 749.5,363.8 749.5,393.2 783.5,427.2 801.96,427.2
VCC_IN on L1_Top Layer "VCC_IN_L01_P172" (solid, pour order 172): 611.6,386.2 611.6,336 634.2,313.4 634.2,295.3 642.9,286.6 675.3,286.6 675.3,301.4 650.4,301.4 647.6,304.2 647.6,361.9 659.3,373.6 659.3,386.2
BAT+ on L1_Top Layer "BAT+_L01_P160" (solid, pour order 160): 931.6,298.5 935.7,302.6 971.2,302.6 971.2,243.4 935.2,243.4 931.3,247.3
no net on L1_Top Layer "NONET_L01_P158" (solid, pour order 158): 929.6,299.8
BAT+ on L1_Top Layer "BAT+_L01_P156" (solid, remove dead copper, pour order 156): 833.5,266.4 850.1,249.8 850.1,290.8 844.2,296.7 801.4,296.7 801.4,266.4
VCC_2V8 on L3_Signa1 "VCC_2V8_L03_P242" (solid, pour order 242): 777.8,459.3 777.8,595.5 626.9,746.4 144.8,746.4 94.5,796.7 94.5,959.8 138.7,1004 300.6,1004 300.6,1084.9 142.4,1084.9 41.8,984.3 41.8,350.4 93.3,350.4 93.3,632.6 150.6,689.9 614.7,689.9 691.9,612.7 691.9,453.2
VCC_2V8 on L3_Signa1 "VCC_2V8_L03_P238" (solid, pour order 238): 1382.8,360.7 1723.9,360.7 1723.9,430.3 1382.8,430.3
VCC_2V8 on L3_Signa1 "VCC_2V8_L03_P214" (solid, pour order 214): 683.2,503.2 829.9,503.2 893.3,439.8 1330.9,439.8 1330.9,360.9 869.9,360.9 798.6,432.2 683.2,432.2

## Text inside footprints (layer, text, board x,y; h text height)
U9: Top Overlay "ANTENA" at -43.27,607.45 h60 r90